# Altium PCB GOOUUU-ESP32外形pcb.PcbDoc
Units mil, origin at the board's own origin, x right, y up, seen from the top; angles counter-clockwise.
Board outline 6000 x 4000 mil, 2 copper layers (Top Layer, Bottom Layer); 6 components, 0 nets, 90 pads, 0 vias.
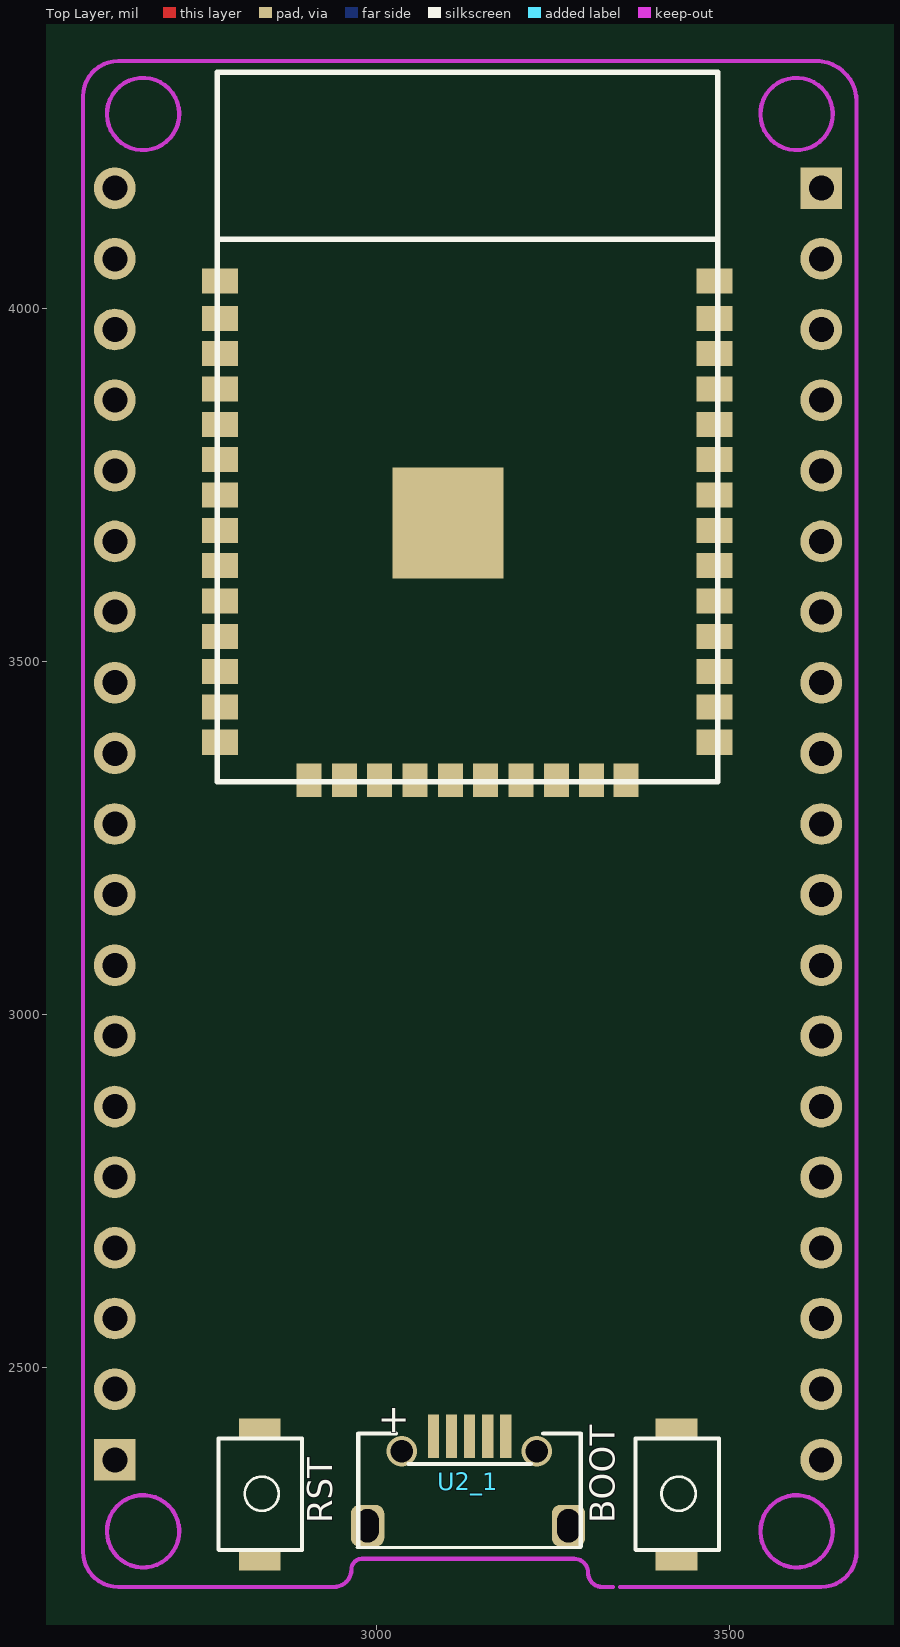
[diagram p0: Top Layer view]
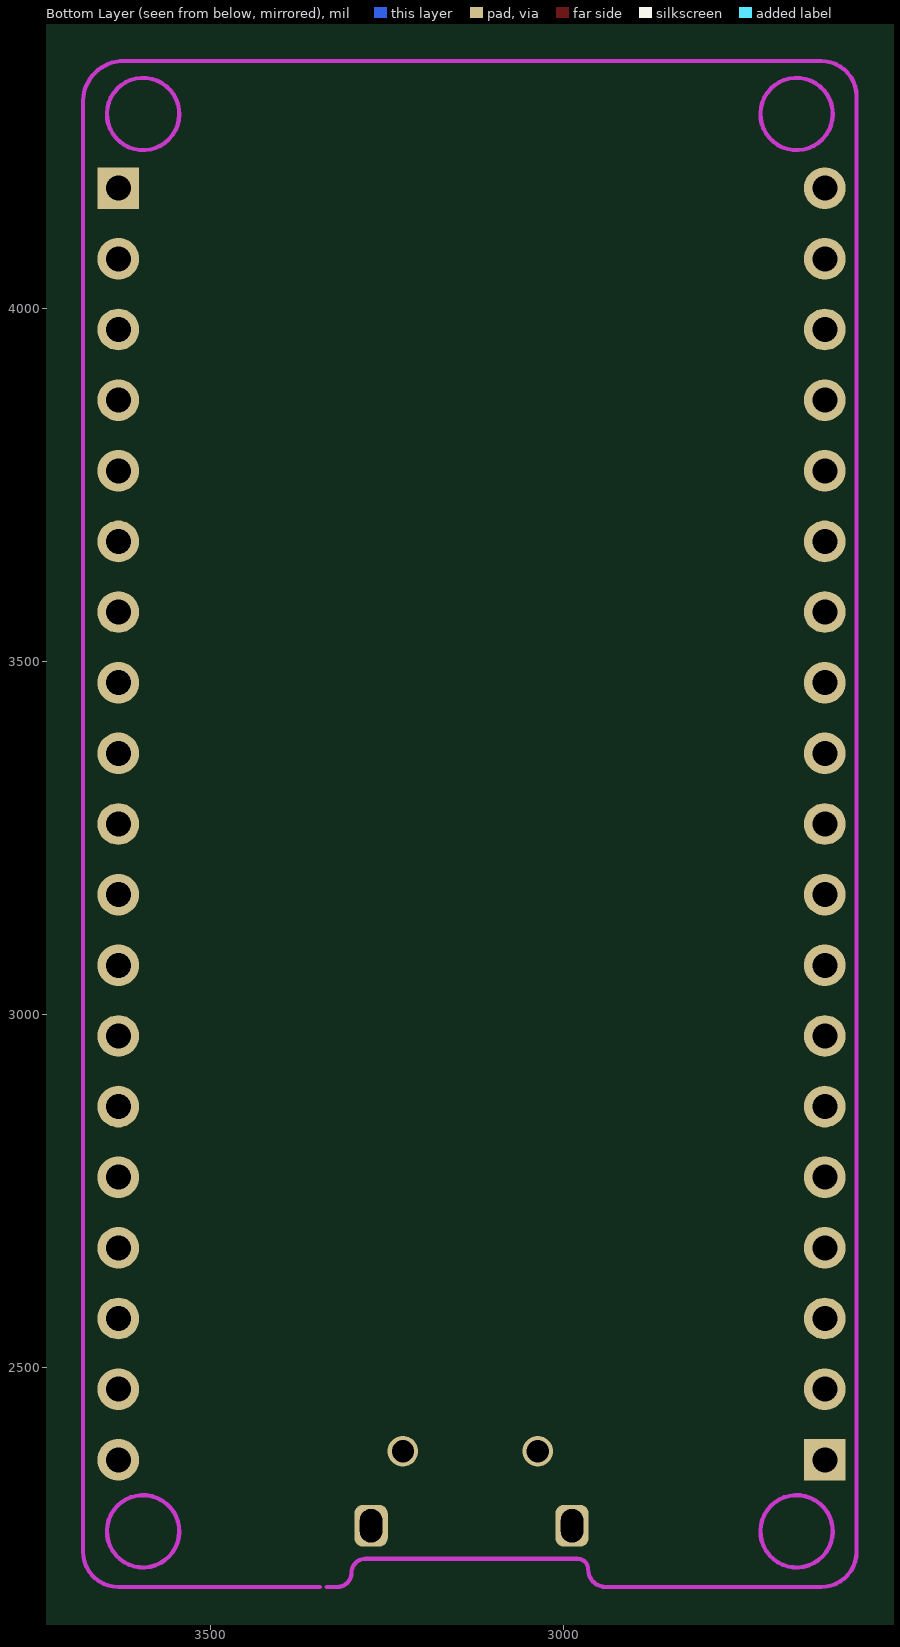
[diagram p1: Bottom Layer view, seen from below]

## Layer stack, top to bottom
Top Solder: solder mask 0.4, Solder Resist, Dk 3.5
Top Layer: signal copper 1.4
Dielectric 1: dielectric 12.6, FR-4, Dk 4.8
Bottom Layer: signal copper 1.4
Bottom Solder: solder mask 0.4, Solder Resist, Dk 3.5

## Board outline
1000,1000 7000,1000 7000,5000 1000,5000

## Design rules (kind name [scope] priority, off if disabled: settings)
Clearance [All] p1: gap=10
PolygonConnect [All] p1: connectstyle=Relief reliefconductorwidth=10 reliefentries=4 polygonreliefangle="90 Angle" airgapwidth=10
RoutingVias [All] p1: holewidth=28 width=50 viastyle="Through Hole" minholewidth=28 minwidth=50 maxholewidth=28 maxwidth=50
SolderMaskExpansion [All] p1: expansion=4
Width [All] p1: maxlimit=10 minlimit=10 preferedwidth=10
30 further rules are at their usual default settings.

## Components (designator, comment, footprint, x,y, rotation, side; value= is the part's Value field where it differs from the comment)
*ESPWROM1 "*ESPWROM32" ESP32 2775,3330 r0 top
BOOT "SW-PB" button 3485,2400 r270 top (schematic designator S2)
P1 "Header 19H" HDR1X19 3630,4170 r270 top
P2 "Header 19H" HDR1X19 2630,2370 r90 top
RST "SW-PB" button 2895,2400 r270 top (schematic designator S1)
U2_1 "microusb" USB_T 3130,2340 r180 top (schematic designator U2)

## Footprints (in the part's own frame and the unit in brackets; to place one, negate y for a bottom-side part, rotate by r counter-clockwise, add the part's x,y. Pads: shape width x height; smd on the part's side, far side on the other; paste and mask are expansions set on the pad)
button [mil]
  rect 27.56x59.06 smd: 1(-15,-60) 2(173,-60)
  silkscreen extent 0,-118 157,0
ESP32 [mm]
  rect 1.3x0.9 smd: 1(0.102,18) 2(0.102,16.655) 3(0.102,15.385) 4(0.102,14.115) 5(0.102,12.845) 6(0.102,11.575) 7(0.102,10.305) 8(0.102,9.035) 9(0.102,7.765) 10(0.102,6.495) 11(0.102,5.225) 12(0.102,3.955) 13(0.102,2.685) 14(0.102,1.415) 25(17.873,1.415) 26(17.873,2.685) 27(17.873,3.955) 28(17.873,5.225) 29(17.873,6.495) 30(17.873,7.765) 31(17.873,9.035) 32(17.873,10.305) 33(17.873,11.575) 34(17.873,12.845) 35(17.873,14.115) 36(17.873,15.385) 37(17.873,16.655) 38(17.873,18)
  rect 0.9x1.2 smd: 15(3.3,0.045) 16(4.57,0.045) 17(5.84,0.045) 18(7.11,0.045) 19(8.38,0.045) 20(9.65,0.045) 21(10.92,0.045) 22(12.19,0.045) 23(13.46,0.045) 24(14.7,0.045)
  rect 4x4 smd: 39(8.3,9.3)
  silkscreen extent 0,0 18,25.5
HDR1X19 [mm] "Connector; Header; 19 Position"
  rect 1.5x1.5 hole 0.9: 1(0,0)
  round 1.5 hole 0.9: 2(2.54,0) 3(5.08,0) 4(7.62,0) 5(10.16,0) 6(12.7,0) 7(15.24,0) 8(17.78,0) 9(20.32,0) 10(22.86,0) 11(25.4,0) 12(27.94,0) 13(30.48,0) 14(33.02,0) 15(35.56,0) 16(38.1,0) 17(40.64,0) 18(43.18,0) 19(45.72,0)
USB_T [mm]
  rect 0.4x1.55 smd: 1(1.244,-1.608) 2(0.593,-1.608) 3(-0.056,-1.608) 4(-0.706,-1.608) 5(-1.356,-1.608)
  rrect50% 1.2x1.5 hole 0.8 slot 1.2 at 90 deg: 6(-3.612,1.608) 6(3.612,1.608)
  round 1.1 hole 0.8: 6(-2.469,-1.072) 6(2.382,-1.072)
  silkscreen extent -4.06,-1.71 3.99,2.39

## Part data
*ESPWROM1: library part ESP3212
P1 P2: "Header, 19-Pin, Right Angle"

## Nets (pads, with @x,y where several pads share a name; then routed paths per layer and width w, separated by ;. In a path a pad name is that pad's centre, name@x,y a point inside that pad or via, vN(x,y) a via of type N, cw(c..) or ccw(c..) an arc to the next point about the centre after c; other vN are vias at no path point)
pads on no net: *ESPWROM1.1 *ESPWROM1.2 *ESPWROM1.3 *ESPWROM1.4 *ESPWROM1.5 *ESPWROM1.6 *ESPWROM1.7 *ESPWROM1.8 *ESPWROM1.9 *ESPWROM1.10 *ESPWROM1.11 *ESPWROM1.12 *ESPWROM1.13 *ESPWROM1.14 *ESPWROM1.15 *ESPWROM1.16 *ESPWROM1.17 *ESPWROM1.18 *ESPWROM1.19 *ESPWROM1.20 *ESPWROM1.21 *ESPWROM1.22 *ESPWROM1.23 *ESPWROM1.24 *ESPWROM1.25 *ESPWROM1.26 *ESPWROM1.27 *ESPWROM1.28 *ESPWROM1.29 *ESPWROM1.30 *ESPWROM1.31 *ESPWROM1.32 *ESPWROM1.33 *ESPWROM1.34 *ESPWROM1.35 *ESPWROM1.36 *ESPWROM1.37 *ESPWROM1.38 *ESPWROM1.39 BOOT.1 BOOT.2 P1.1 P1.2 P1.3 P1.4 P1.5 P1.6 P1.7 P1.8 P1.9 P1.10 P1.11 P1.12 P1.13 P1.14 P1.15 P1.16 P1.17 P1.18 P1.19 P2.1 P2.2 P2.3 P2.4 P2.5 P2.6 P2.7 P2.8 P2.9 P2.10 P2.11 P2.12 P2.13 P2.14 P2.15 P2.16 P2.17 P2.18 P2.19 RST.1 RST.2 U2_1.1 U2_1.2 U2_1.3 U2_1.4 U2_1.5 U2_1.6

## Keep-outs
Keep-Out Layer:
  lines w5.91: 3335,2190 3320,2190 cw(c3320,2210) 3300,2210 ccw(c3280,2210) 3280,2230 2980,2230 ccw(c2980,2215) 2965,2215 cw(c2940,2215) 2940,2190 2635,2190 cw(c2635,2240) 2585,2240 2585,4300 cw(c2635,4300) 2635,4350 3627.64,4350 ; 3345,2190 3630,2190 ccw(c3630,2240) 3680,2240 3680,4292.64 ccw(c3622.64,4292.64) 3622.64,4350
  lines w6: 2721.17,2269.83 cw(c2670,2268.81) 2721.17,2270 ; 2721.17,4276.02 cw(c2670,4275) 2721.17,4276.19 ; 3646.17,2269.83 cw(c3595,2268.81) 3646.17,2270 ; 3646.17,4276.02 cw(c3595,4275) 3646.17,4276.19

## Dimensions
2580,4350 to 2585,2190 on Top Overlay
2580,2190 to 3680,2195 on Top Overlay

## Text inside footprints (layer, text, board x,y; h text height)
U2_1: Top Overlay "+" at 3002.3,2409.2 h40